# Altium PCB AirQuality PCB.PcbDoc
Units mm, origin at the board's own origin, x right, y up, seen from the top; angles counter-clockwise.
Board outline 74.04 x 69.51 mm, 2 copper layers (Top Layer, Bottom Layer); 67 components, 46 nets, 228 pads, 54 vias.
Unrouted connection lines stored in the file: 133.
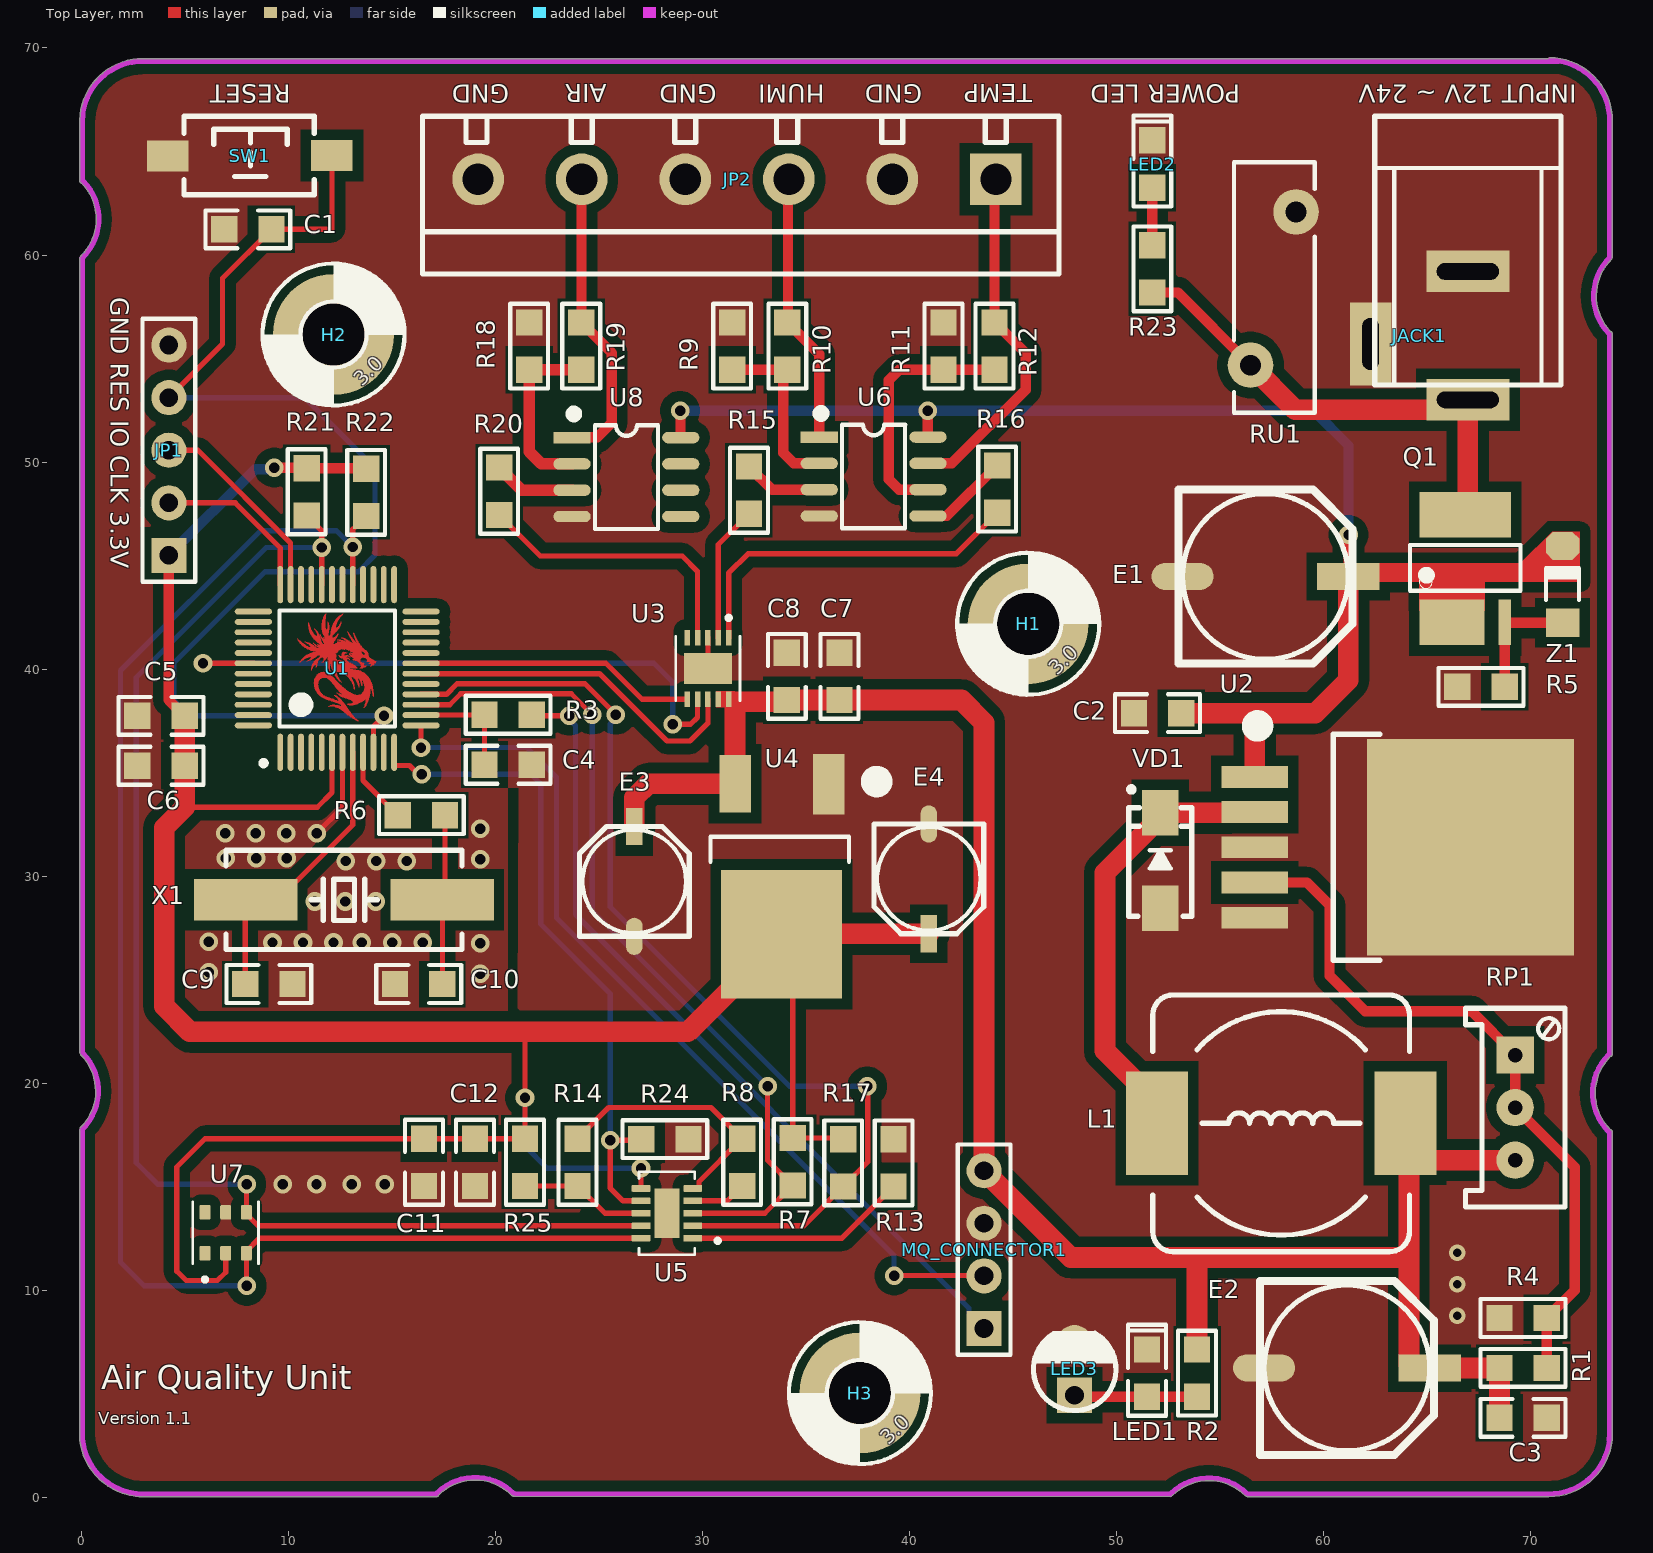
[diagram p0: Top Layer view]
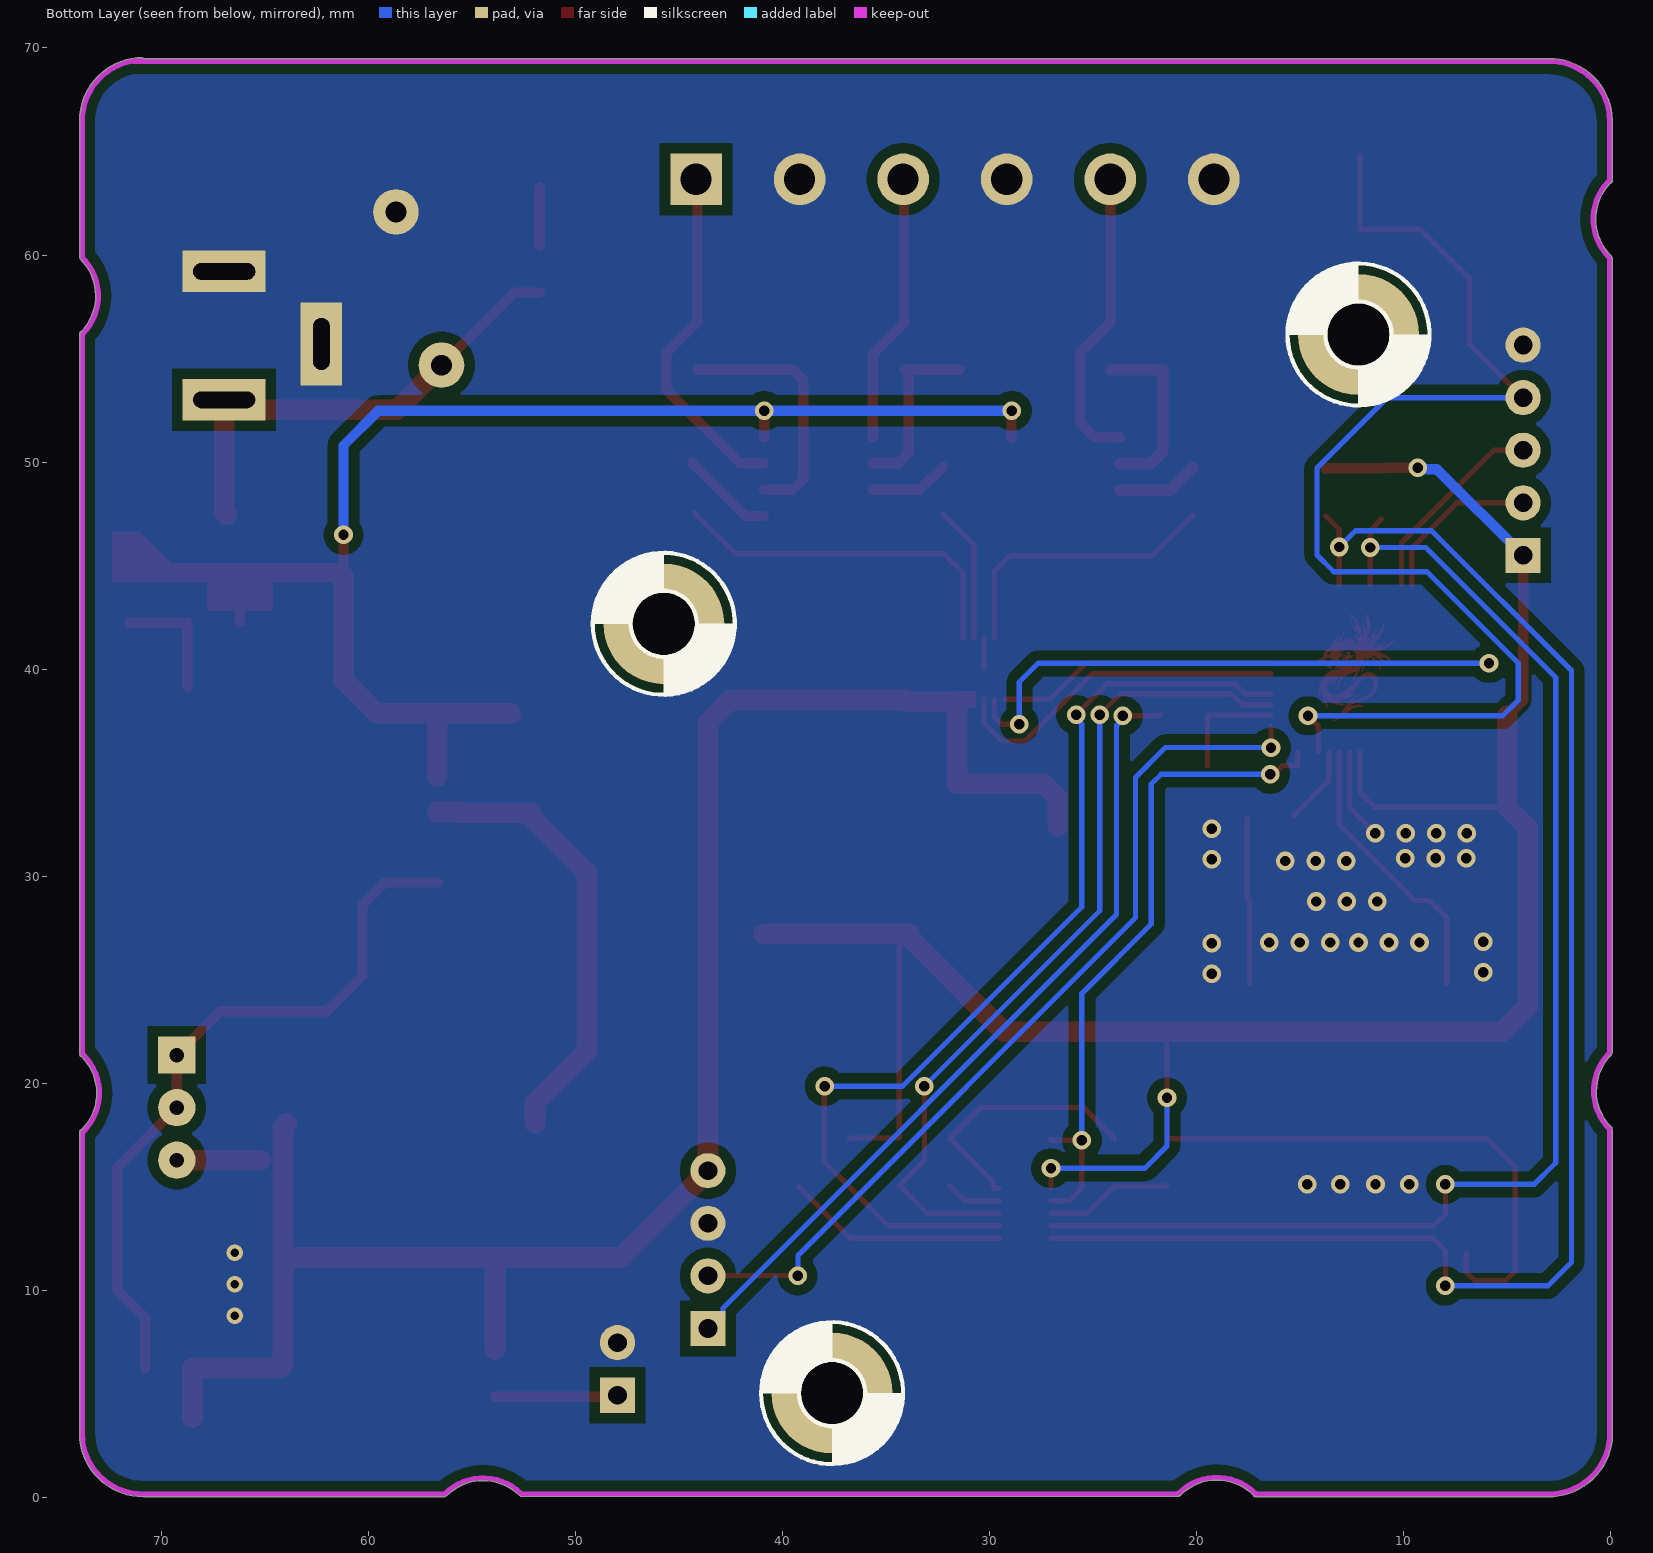
[diagram p1: Bottom Layer view, seen from below]

## Layer stack, top to bottom
Top Solder: solder mask 0.0102, Solder Resist, Dk 3.5
Top Layer: signal copper 0.0356
Dielectric 1: dielectric 0.32, FR-4, Dk 4.8
Bottom Layer: signal copper 0.0356
Bottom Solder: solder mask 0.0102, Solder Resist, Dk 3.5

## Board outline
-0.039,17.845 -0.077,17.704 -0.073,3.017 ccw(c2.988,3.092) 2.791,0.037 2.845,0.025 17.145,0.025 ccw(c17.145,0.152) 17.261,0.101 17.276,0.113 cw(c19.028,-1.663) 20.804,0.089 ccw(c20.895,0.178) 20.922,0.054 20.93,0.053 52.603,0.025 52.718,0.087 cw(c54.47,-1.689) 56.246,0.064 56.337,0.025 70.866,0.025 70.893,0.028 ccw(c70.899,3.089) 73.96,3.051 73.965,3.099 73.965,17.628 ccw(c73.838,17.628) 73.866,17.752 73.852,17.768 cw(c75.629,19.52) 73.869,21.289 ccw(c73.838,21.412) 73.965,21.412 73.965,56.185 ccw(c73.838,56.185) 73.87,56.308 cw(c75.679,58.026) 73.927,59.803 73.965,59.893 73.965,66.446 73.962,66.479 ccw(c70.901,66.479) 70.94,69.54 70.836,69.489 3.052,69.489 3.028,69.492 ccw(c2.99,66.431) -0.07,66.512 -0.077,66.472 -0.077,63.602 ccw(c0.051,63.602) 0.019,63.478 cw(c-1.765,61.735) 0.73,61.735 cw(c-1.765,61.735) -0.013,59.958 -0.077,59.842 -0.077,21.488 -0.014,21.374 cw(c-1.791,19.621) 0.704,19.621 cw(c-1.791,19.621)

## Design rules (kind name [scope] priority, off if disabled: settings)
Clearance Clearance_1 [InNamedPolygon('GND_L01_P000') Or InNamedPolygon('GND_L02_P001')] p1: gap=0.5 ignorepadtopadclearanceinfootprint=FALSE
Clearance [All] p2: gap=0.127 ignorepadtopadclearanceinfootprint=FALSE
PolygonConnect PolygonConnect_1 [All vs IsNamedPolygon('GND_L01_P000') Or IsNamedPolygon('GND_L02_P001')] p1: connectstyle=Direct reliefconductorwidth=0.254 reliefentries=4 polygonreliefangle="90 Angle" airgapwidth=0.254
PolygonConnect [All] p2: connectstyle=Relief reliefconductorwidth=0.254 reliefentries=4 polygonreliefangle="90 Angle" airgapwidth=0.254
RoomDefinition Main [InComponentClass('Main')] p1 off: confinementstyle=ConfineIn formatcopy=TRUE lockcomponents=FALSE outline 1.448,0.711 72.72,0.711 72.72,67.107 1.448,67.107
RoutingVias [All] p1: holewidth=0.5 width=0.9 viastyle="Through Hole" minholewidth=0.5 minwidth=0.9 maxholewidth=0.5 maxwidth=0.9
SolderMaskExpansion [All] p1: expansion=0.102 istentingtop=FALSE
Width [All] p1: maxlimit=1 minlimit=0.254 preferedwidth=0.5
30 further rules are at their usual default settings.

## Components (designator, comment, footprint, x,y, rotation, side; value= is the part's Value field where it differs from the comment)
C1 "0.1uF" "C 0805" 8.052,61.239 r0 top
C2 "1uF" "C 0805" 51.994,37.871 r0 top
C3 "1uF" "C 0805" 69.647,3.835 r180 top
C4 "0.1uF" "C 0805" 20.625,35.382 r180 top
C5 "0.1Uf" "C 0805" 3.861,37.744 r0 top
C6 "10uF" "C 0805" 3.861,35.331 r0 top
C7 "0.1uF" "C 0805" 36.627,39.649 r270 top
C8 "10uF" "C 0805" 34.087,39.649 r270 top
C9 "1uF" "C 0805" 9.068,24.79 r180 top
C10 "1uF" "C 0805" 16.307,24.79 r0 top
C11 "1uF" "C 0805" 16.561,16.18 r90 top
C12 "1uF" "C 0805" 19.025,16.18 r90 top
E1 "100uF/50V" "CM E(8*10.2)" 57.201,44.475 r0 top
E2 "220uF/35V" "CM E(8*10.2)" 61.138,6.248 r0 top
E3 "10uF" "CM C(5*5.4)" 26.721,29.743 r90 top
E4 "10uF" "CM C(5*5.4)" 40.945,29.87 r270 top
H1 "Round Pad" P3.0C 45.745,42.189 r0 top
H2 "Round Pad" P3.0C 12.192,56.159 r0 top
H3 "Round Pad" P3.0C 37.617,5.029 r0 top
JACK1 "3.5*1.3" DC-005 66.98,59.207 r90 top
JP1 "HDR-1X5" HDR-1X5 4.242,45.491 r90 top
JP2 "HDR-1X6" KF301-6P 44.181,63.659 r180 top
L1 "470uH" CDRH127 57.963,18.059 r0 top
LED1 "LED-SMD" "LED 0805R" 51.486,5.994 r90 top
LED2 "LED-SMD" "LED 0805R" 51.74,64.396 r90 top
LED3 "红色" "LED 3MM-G" 47.981,6.198 r90 top
MQ_CONNECTOR1 "HDR-1X4" HDR-1X4 43.612,8.153 r90 top
Q1 "FDS4435BZ" SOP8-E3 66.853,44.856 r0 top
R1 "=Value" "R 0805" 69.647,6.248 r180 top
R2 "1K" "R 0805" 53.899,5.994 r90 top
R3 "1K" "R 0805" 20.625,37.795 r180 top
R4 "1K" "R 0805" 69.647,8.661 r0 top
R5 "1K" "R 0805" 67.615,39.141 r0 top
R6 "1K" "R 0805" 16.434,32.944 r0 top
R7 "47K" "R 0805" 34.366,16.205 r270 top
R8 "000" "R 0805" 31.928,16.18 r90 top
R9 "1K" "R 0805" 31.445,55.6 r270 top
R10 "1K" "R 0805" 34.112,55.601 r90 top
R11 "1K" "R 0805" 41.656,55.6 r270 top
R12 "1K" "R 0805" 44.12,55.601 r90 top
R13 "47K" "R 0805" 39.243,16.154 r270 top
R14 "RTC" "R 0805" 23.978,16.18 r90 top
R15 "1K" "R 0805" 32.258,48.641 r90 top
R16 "1K" "R 0805" 44.247,48.692 r90 top
R17 "47K" "R 0805" 36.805,16.154 r270 top
R18 "1K" "R 0805" 21.641,55.601 r270 top
R19 "1K" "R 0805" 24.155,55.601 r90 top
R20 "1K" "R 0805" 20.193,48.59 r90 top
R21 "47K" "R 0805" 10.897,48.565 r90 top
R22 "47K" "R 0805" 13.767,48.539 r90 top
R23 "1K" "R 0805" 51.74,59.334 r270 top
R24 "47K" "R 0805" 28.194,17.297 r180 top
R25 "10K" "R 0805" 21.438,16.18 r270 top
RP1 "10K" 3296W 69.266,18.821 r270 top
RU1 "*" "Varistor Short Hieght - Straight" 57.582,62.382 r270 top
SW1 "3x6x5" "TSW SMD-3*6*2.5" 8.179,64.807 r0 top
U1 "STM32G030C8T6" "LQFP48 7X7_N" 12.37,40.03 r0 top
U2 "LM2596-ADJ" TO263-5A 56.693,31.394 r270 top
U3 "AD5664" "LFCSP -10" 30.251,40.03 r270 top
U4 "LD1086" TO252 33.833,31.394 r180 top
U5 "CCS811" CCS811 28.296,13.97 r180 top
U6 "LM358" SOP8_N 38.278,49.301 r0 top
U7 "AHT20" AHT20 6.985,12.776 r90 top
U8 "LM358" SOP8_N 26.34,49.276 r0 top
VD1 "SS34" SMA 52.121,30.759 r90 top
X1 "12MHz" XTAL-HC49S-SMD 12.7,28.854 r180 top
Z1 "1N4106" DO-213AA 71.552,44.094 r90 top

## Footprints (in the part's own frame and the unit in brackets; to place one, negate y for a bottom-side part, rotate by r counter-clockwise, add the part's x,y. Pads: shape width x height; smd on the part's side, far side on the other; paste and mask are expansions set on the pad)
3296W [mm] "Precise Multi-Winding Adjustable Resistor"
  rect 1.8x1.8 hole 0.7: 1(-2.54,0)
  round 1.8 hole 0.7: 2(2.54,0) ADJ(0,0)
  silkscreen extent -4.8,-2.4 4.8,2.4, body extent -4.75,-2.4 4.75,2.4, height 11.52
AHT20 [mm]
  rrect25% 0.71x0.53 smd: 1(-0.985,1) 2(-0.985,0) 3(-0.985,-1) 4(0.985,-1) 5(0.985,0) 6(0.985,1)
  silkscreen extent -2.35,-1.59 1.5,1.59, body extent -1.5,-1.5 1.5,1.5, height 1
"C 0805" [mil] "ï¿½Þ¼ï¿½ï¿½ï¿½ï¿½ï¿½Æ¬ï¿½ï¿½ï¿½ï¿½"
  rect 50x50 smd: 1(-45,0) 2(45,0)
  silkscreen extent -81,-36 81,36, body extent -39,-24 39,24, height 20
CCS811 [mm]
  rrect25% 0.91x0.32 smd: 1(-1.25,1.454) 2(-1.25,0.854) 3(-1.25,0.254) 4(-1.25,-0.346) 5(-1.25,-0.946) 6(1.25,-0.946) 7(1.25,-0.346) 8(1.25,0.254) 9(1.25,0.854) 10(1.25,1.454)
  rect 1.2x2.4 smd paste-2: 11(0,0.254)
  silkscreen extent -2.55,-1.75 1.35,2.25, body extent -1.35,-1.75 1.35,2.25, height 1.1
CDRH127 [mm] "12*12*8mm£¨³¤¿í¸ß£©"
  rect 3x5 smd: 1(-6,0) 2(6,0)
  silkscreen extent -6.2,-6.2 6.2,6.2, body extent -6,-6 6,6, height 7.8
"CM C(5*5.4)" [mm] "ï¿½ï¿½Æ¬ï¿½ï¿½ï¿½ï¿½ï¿½Ý£ï¿½Ö±ï¿½ï¿½5mmï¿½ï"
  rect 1.8x0.8 smd: 1(2.65,0)
  oval 1.8x0.8 smd: 2(-2.65,0)
  silkscreen extent -2.65,-2.65 2.65,2.65, body extent -2.95,-2.65 2.95,2.65, height 5.4
"CM E(8*10.2)" [mm] "ï¿½ï¿½Æ¬ï¿½ï¿½ï¿½ï¿½ï¿½Ý£ï¿½Ö±ï¿½ï¿½8mmï¿½ï"
  rect 3x1.3 smd: 1(4,0)
  oval 3x1.3 smd: 2(-4,0)
  silkscreen extent -4.2,-4.2 4.2,4.2, body extent -4.5,-4.15 4.5,4.15, height 10.2
DC-005 [mm] "5.5*2.1mm£¬DC30V,2.5A"
  rect 2x4 hole 0.8 slot 3 at 90 deg: 1(-6.2,0) 2(0,0)
  rect 4x2 hole 0.8 slot 2.5 at 0 deg: 3(-3.5,4.7)
  silkscreen extent -5.48,-4.5 7.5,4.5, body extent -6.55,-4.5 7.5,4.8, height 11.2
DO-213AA [mm] "1.5*3.5mm(Ö±¾¶£¬½Å¾à£©"
  rect 1.37x1.62 smd: 1(-1.855,0)
  oct 1.37x1.62 smd: 2(1.855,0)
  silkscreen extent -0.76,-0.8 0.78,0.8, body extent -1.75,-0.75 1.75,0.75, height 1.53
HDR-1X4 [mm] "ï¿½ï¿½ï¿½ë£¬4ï¿½ï¿½"
  rect 1.7x1.7 hole 0.9: 1(0,0)
  round 1.7 hole 0.9: 2(2.54,0) 3(5.08,0) 4(7.62,0)
  silkscreen extent -1.27,-1.27 8.89,1.27, body extent -1.27,-1.27 8.89,1.27, height 8.5
HDR-1X5 [mm] "ï¿½ï¿½ï¿½ë£¬5ï¿½ï¿½"
  rect 1.7x1.7 hole 0.9: 1(0,0)
  round 1.7 hole 0.9: 2(2.54,0) 3(5.08,0) 4(7.62,0) 5(10.16,0)
  silkscreen extent -1.27,-1.27 11.43,1.27, body extent -1.27,-1.27 11.43,1.27, height 8.5
KF301-6P [mm] "ï¿½ï¿½Æ´ï¿½Ó¶ï¿½ï¿½ï¿½/6A"
  rect 2.5x2.5 hole 1.5: 1(0,0)
  round 2.5 hole 1.5: 2(5,0) 3(10,0) 4(15,0) 5(20,0) 6(25,0)
  silkscreen extent -3.05,-3.05 27.69,4.57, body extent -2.87,-3 27.63,4.6, height 10.05
"LED 3MM-G" [mm] "ï¿½ï¿½É«3mmÖ±ï¿½ï¿½LED"
  rect 1.7x1.7 hole 0.9: 1(-1.27,0)
  round 1.7 hole 0.9: 2(1.27,0)
  silkscreen extent -2.01,-2 1.72,1.98, body extent -1.95,-1.95 1.64,1.95, height 5.55
"LED 0805R" [mil] "ï¿½ï¿½É«0805LED"
  rect 50x50 smd: 1(-45,0) 2(45,0)
  silkscreen extent -81,-36 92,36, body extent -39,-25 39,25, height 32
"LFCSP -10" [mm]
  rrect25% 0.76x0.27 smd: 1(-1.485,1.025) 2(-1.485,0.525) 3(-1.485,0.025) 4(-1.485,-0.475) 5(-1.485,-0.975) 6(1.485,-0.975) 7(1.485,-0.475) 8(1.485,0.025) 9(1.485,0.525) 10(1.485,1.025)
  rect 1.5x2.3 smd paste-2: 11(0,0.025)
  silkscreen extent -2.54,-1.52 1.55,1.58, body extent -1.47,-1.47 1.53,1.53, height 0.85
"LQFP48 7X7_N" [mm] "48½Å£¬Ìå¿í7x7mm£¬½Å¾à0.5mm"
  oval 0.279x1.8 smd: 1(-2.75,-4.05) 2(-2.25,-4.05) 3(-1.75,-4.05) 4(-1.25,-4.05) 5(-0.75,-4.05) 6(-0.25,-4.05) 7(0.25,-4.05) 8(0.75,-4.05) 9(1.25,-4.05) 10(1.75,-4.05) 11(2.25,-4.05) 12(2.75,-4.05) 25(2.75,4.05) 26(2.25,4.05) 27(1.75,4.05) 28(1.25,4.05) 29(0.75,4.05) 30(0.25,4.05) 31(-0.25,4.05) 32(-0.75,4.05) 33(-1.25,4.05) 34(-1.75,4.05) 35(-2.25,4.05) 36(-2.75,4.05)
  oval 1.8x0.279 smd: 13(4.05,-2.75) 14(4.05,-2.25) 15(4.05,-1.75) 16(4.05,-1.25) 17(4.05,-0.75) 18(4.05,-0.25) 19(4.05,0.25) 20(4.05,0.75) 21(4.05,1.25) 22(4.05,1.75) 23(4.05,2.25) 24(4.05,2.75) 37(-4.05,2.75) 38(-4.05,2.25) 39(-4.05,1.75) 40(-4.05,1.25) 41(-4.05,0.75) 42(-4.05,0.25) 43(-4.05,-0.25) 44(-4.05,-0.75) 45(-4.05,-1.25) 46(-4.05,-1.75) 47(-4.05,-2.25) 48(-4.05,-2.75)
  silkscreen extent -3.68,-4.7 2.79,2.79, body extent -4.5,-4.5 4.5,4.5, height 1.45
P3.0C [mil] "MOUNTING PAD 3.0 mm, round, 5.8 mm Diameter"
  round 230 hole 118.11: P(0,0)
  silkscreen extent -135,-135 135,135
"R 0805" [mm] "1/8Wï¿½ï¿½Æ¬ï¿½ï¿½ï¿½ï¿½"
  rect 1.27x1.27 smd: 1(-1.143,0) 2(1.143,0)
  silkscreen extent -2.05,-0.91 2.05,0.91, body extent -1,-0.62 1,0.63, height 0.5
SMA [mm] "4.5x2.6*2.2mm£¨³¤¿í¸ß£¬²»°üÀ¨Òý½Å£©"
  rect 2.2x1.75 smd: 1(-2.3,0) 2(2.3,0)
  silkscreen extent -2.7,-1.52 3.56,1.52, body extent -2.53,-1.3 2.58,1.3, height 2.15
SOP8-E3 [mm]
  rect 3.15x2.2 smd mask+0: 1-3(-0.635,-2.6)
  rect 0.6x2.2 smd: 4(1.905,-2.6)
  rect 4.4x2.2 smd mask+0: 5-8(0,2.6)
  silkscreen extent -2.67,-1.07 2.67,1.14, body extent -2.46,-3.07 2.54,2.93, height 1.9
SOP8_N [mm] "5*6*1.8mm£¨³¤¿í¸ß£©"
  rect 1.8x0.55 smd: 1(-2.625,1.905)
  oval 1.8x0.55 smd: 2(-2.625,0.635) 3(-2.625,-0.635) 4(-2.625,-1.905) 5(2.625,-1.905) 6(2.625,-0.635) 7(2.625,0.635) 8(2.625,1.905)
  silkscreen extent -2.69,-2.5 1.52,3.2, body extent -3,-2.5 3,2.5, height 1.9
TO252 [mil] "252¾§Ìå¹Ü"
  rect 60x115 smd: 1(-89.55,-119.77)
  rect 230x245 smd: 2(0,165.35)
  rect 60x110 smd: 3(88.45,-120.77)
  silkscreen extent -196,-140 135,28, body extent -127,-120 129,251, height 91
TO263-5A [mm] "263£¬5½Å¾§Ìå¹Ü"
  rect 1.05x3.2 smd: 1(-3.4,0) 2(-1.7,0) 3(0,0) 4(1.7,0) 5(3.4,0)
  rect 10.45x10 smd: 3(0,10.414)
  silkscreen extent -6.24,-0.25 5.46,6.04, body extent -5,-0.01 5,13.32, height 4.5
"TSW SMD-3*6*2.5" [mm] "3*6*2.5mm"
  rect 2x1.5 smd: 1(-3.996,-0.02) 2(3.937,0)
  silkscreen extent -3.21,-1.9 3.09,1.9, body extent -4,-1.88 4,1.62, height 2.59
"Varistor Short Hieght - Straight" [mm] "B57237"
  round 2.2 hole 1: 1(0.3,1.1) 2(7.7,-1.1)
  silkscreen extent -2.1,-1.9 10,2, body extent -2,-1.9 10,1.9, height 13
XTAL-HC49S-SMD [mm]
  rect 5x2 smd: 1(-4.75,0) 2(4.75,0)
  silkscreen extent -5.7,-2.4 5.7,2.4, body extent -6.7,-2.46 6.7,2.44, height 4

## Part data
C1 C2 C3 C4 C5 C6 C7 C8 C9 C10 C11 C12: library part C, "Non-polar patch capacitor", BOM名称=无极性贴片电容, 学习资源=www.ooocke.com, 版权归属=源创客
E1 E2 E3 E4: library part C-CM, "Chip electrolytic capacitor", BOM名称=贴片电解电容, 学习资源=www.ooocke.com, 版权归属=源创客
H1 H2 H3: library part MOUNT-PAD-ROUND, "MOUNTING PAD, round"
JACK1: library part P-DC, "Low voltage power interface", BOM名称=DC电源接口, 学习资源=www.ooocke.com, 版权归属=源创客
JP1: library part "Header 5", "5P Connector", BOM名称=5P接插件, 学习资源=www.ooocke.com, 版权归属=源创客
JP2: library part "Header 6", "6P Connector", BOM名称=6P接插件, 学习资源=www.ooocke.com, 版权归属=源创客
L1: library part L-CDRH, "Power shielded inductor", BOM名称=功率屏蔽电感, 学习资源=www.ooocke.com, 版权归属=源创客
LED1 LED2: "Patch LED", BOM名称=贴片LED, 学习资源=www.ooocke.com, 版权归属=源创客
LED3: library part LED-3MM, "Plug-in LED", BOM名称=插件LED, 学习资源=www.ooocke.com, 版权归属=源创客
MQ_CONNECTOR1: library part "Header 4", "4P Connector", BOM名称=4P接插件, 学习资源=www.ooocke.com, 版权归属=源创客
R1 R2 R3 R4 R5 R6 R7 R8 R9 R10 R11 R12 R13 R14 R15 R16 R17 R18 R19 R20 R21 R22 R23 R24 R25: library part R, "Chip resistor", BOM名称="Chip resistor", 学习资源=www.ooocke.com, 版权归属=源创客
RP1: library part RP-THD, "Plug-in potentiometer", BOM名称=插件电位器, 学习资源=www.ooocke.com, 版权归属=源创客
RU1: library part V, "Versiror"
SW1: library part "TSW 3x6", "3x6 tact switch", BOM名称=3x6轻触开关, 学习资源=www.ooocke.com, 版权归属=源创客
U2: library part LM2596, "DC step-down chip", BOM名称=DC稳压芯片, 学习资源=www.ooocke.com, 版权归属=源创客
U4: "Linear Voltage Regulator IC 1 Output 1.5A DPAK"
U6 U8: "Dual op amp", BOM名称=双路运放, 学习资源=www.ooocke.com, 版权归属=源创客
VD1: "Schottky diodes", BOM名称=肖特基二极管, 学习资源=www.ooocke.com, 属性=40V/3A, 版权归属=源创客
X1: library part XTAL-2, "2-Pin crystal", BOM名称=2脚晶振, 学习资源=www.ooocke.com, 版权归属=源创客
Z1: "12V/0.5W voltage regulator", BOM名称=12V/0.5W稳压管, 学习资源=www.ooocke.com, 版权归属=源创客

## Via types
v1: diameter 0.9, hole 0.5, Top Layer to Bottom Layer, tented both sides, 51 vias
v2: diameter 0.8, hole 0.4, Top Layer to Bottom Layer, tented both sides, 3 vias

## Nets (pads, with @x,y where several pads share a name; then routed paths per layer and width w, separated by ;. In a path a pad name is that pad's centre, name@x,y a point inside that pad or via, vN(x,y) a via of type N, cw(c..) or ccw(c..) an arc to the next point about the centre after c; other vN are vias at no path point)
3.3V: C5.2 C6.2 C11.2 C12.2 E4.1 JP1.1 R7.1 R17.1 R21.2 R22.2 R25.1 U1.6 U4.2 U5.6 U7.2 | length 135.6
  Top Layer w0.254: 5.004,33.325 11.405,33.325 12.12,34.04 U1.6 ; U7.2 6.985,10.871 6.579,10.465 5.08,10.465 4.623,10.922 4.623,15.951 5.994,17.323 C11.2 C12.2 R25.1 21.438,22.454 21.463,22.479 ; U5.6 v1(27.046,15.895) v1@27.076,15.926 ; U4.2 34.366,26.661 R7.1 36.754,17.348 R17.1
  Top Layer w0.5: JP1.1 4.242,38.506 C5.2 ; v1(9.322,49.733) 9.335,49.72 10.884,49.72 10.909,49.695 13.754,49.695 R22.2
  Top Layer w1: C5.2 C6.2 5.004,33.325 4.013,32.334 4.013,23.724 5.258,22.479 21.463,22.479 29.308,22.479 U4.2@33.833,27.004 ; U4.2@33.859,27.22 E4.1
  Bottom Layer w0.254: v1(21.438,19.304) 21.438,16.967 22.51,15.895 v1(27.046,15.895)
  Bottom Layer w0.5: JP1.1 8.407,49.657 9.245,49.657 v1(9.322,49.733)
5v: C3.2 C7.2 C8.2 E2.1 E3.1 L1.2 MQ_CONNECTOR1.4 R1.2 R2.2 RP1.2 U3.9 U3.10 U4.3 | length 94
  Top Layer w1: E3.1 26.721,33.782 27.401,34.462 U4.3 31.586,38.391 31.547,38.43 34.011,38.43 C8.2 C7.2 42.52,38.506 43.612,37.414 MQ_CONNECTOR1.4 47.803,11.582 53.899,11.582 ; R2.2 53.899,11.582 ; L1.2 64.135,17.887 64.135,11.582 ; L1.2@65.213,16.281 RP1.2 ; C3.2 R1.2 E2.1 64.288,6.248 64.138,6.398 64.138,6.981 64.135,6.984 64.135,11.582 ; 53.899,11.582 64.135,11.582
24V: C2.2 E1.1 Q1.1-3 U2.1 U6.8 U8.8 Z1.2 | length 71.9
  Top Layer w0.5: v1(28.931,52.476) 28.948,52.459 28.948,51.198 U8.8 ; v1(40.894,52.476) 40.898,52.472 40.898,51.211 U6.8 ; 56.693,37.744 56.82,37.871 ; v1(61.214,46.482) 61.214,44.489 E1.1 66.218,44.475 ; Q1.1-3 66.218,44.475 ; Z1.2 71.427,45.949 69.953,44.475 66.218,44.475
  Top Layer w1: C2.2 56.82,37.871 59.614,37.871 61.201,39.458 E1.1 ; U2.1 56.693,37.744
  Bottom Layer w0.5: v1(28.931,52.476) v1(40.894,52.476) 59.538,52.476 61.214,50.8 v1(61.214,46.482)
24VIN: JACK1.1 Q1.5-8 R23.2 RU1.2 | length 23.4
  Top Layer w0.5: R23.2 52.973,58.191 RU1.2
  Top Layer w1: RU1.2 58.637,52.527 66.5,52.527 JACK1.1 66.98,47.583 Q1.5-8
ANALOG_OUT_1: JP2.1 R12.2 U6.7 | length 17
  Top Layer w0.5: U6.7 42.062,49.936 45.618,53.492 45.618,55.245 R12.2 44.12,63.598 JP2.1
ANALOG_OUT_2: JP2.3 R10.2 U6.1 | length 13.1
  Top Layer w0.5: JP2.3 34.146,63.625 34.146,56.778 R10.2 35.653,55.203 U6.1
ANALOG_OUT_3: JP2.5 R19.2 U8.1 | length 14.6
  Top Layer w0.5: U8.1 23.731,51.198 24.934,51.198 25.629,51.892 25.629,55.27 R19.2 24.168,56.756 24.168,63.647 JP2.5
CCS_AUX: R14.1 R25.2 U5.8 | length 6.2
  Top Layer w0.254: R25.2 R14.1 25.298,13.716 U5.8
CCS_RESET: R17.2 U1.16 U5.2 | length 48.8
  Top Layer w0.254: U1.16 17.648,38.78 18.161,39.294 24.333,39.294 v1(25.832,37.795) ; U5.2 34.909,13.116 R17.2 37.998,16.205 37.998,19.71 v1@37.973,19.736
  Bottom Layer w0.254: v1@25.832,37.719 25.832,37.62 25.552,37.341 25.552,28.524 34.224,19.853 v1(37.973,19.853)
CCS_SENSE: R8.2 R14.2 U5.5 | length 12.7
  Top Layer w0.254: R14.2 25.476,18.821 30.429,18.821 R8.2 29.845,15.239 29.845,14.949 29.812,14.916 U5.5
CCS_WAKE: R24.2 U1.12 U5.7 | length 32.2
  Top Layer w0.254: U1.12 15.12,35.359 15.132,35.347 15.862,35.347 16.284,34.925 v1(16.459,34.925) ; U5.7 26.172,14.316 25.552,14.935 v1(25.552,17.247) 27,17.247 R24.2
  Bottom Layer w0.254: v1(16.459,34.925) 21.717,34.925 22.2,34.442 22.2,27.686 25.552,24.333 v1(25.552,17.247)
GND: C1.1 C2.1 C3.1 C4.1 C5.1 C6.1 C7.1 C8.1 C9.1 C10.1 C11.1 C12.1 E1.2 E2.2 E3.2 E4.2 JACK1.2 JACK1.3 JP1.5 JP2.2 JP2.4 JP2.6 LED1.2 LED2.2 LED3.2 MQ_CONNECTOR1.3 R4.1 R5.1 R9.1 R11.1 R13.1 R18.1 R24.1 RU1.1 SW1.1 U1.7 U2.3 U2.5 U3.3 U3.11 U4.1 U5.11 U6.4 U7.5 U8.4 VD1.1 | length 5.9
  Top Layer w0.254: v1(11.379,32.08) 12.62,33.321 U1.7 ; U3.11 U3.3
  other v1: 9.741,15.113 11.367,15.113 13.068,15.113 14.669,15.113 19.276,25.285 6.169,25.362 19.276,26.759 9.246,26.797 10.719,26.797 12.192,26.797 13.564,26.797 15.037,26.797 16.51,26.797 6.169,26.835 11.278,28.778 12.751,28.778 14.224,28.778 12.776,30.734 14.249,30.734 15.723,30.734 19.276,30.823 6.985,30.861 8.458,30.861 9.931,30.861 6.96,32.08 8.433,32.08 9.906,32.08 19.276,32.296
  other v2: 66.472,8.763 66.472,10.287 66.472,11.811
INT: R7.2 U1.15 U5.3 | length 41
  Top Layer w0.254: U1.15 17.808,38.28 18.339,38.811 23.673,38.811 v1(24.689,37.795) ; U5.3 33.02,13.716 R7.2 33.147,16.281 33.147,19.837 v1(33.162,19.853)
  Bottom Layer w0.254: v1(24.689,37.795) 24.689,28.326 v1(33.162,19.853)
MQ_Aout: MQ_CONNECTOR1.1 R3.1 | length 39.7
  Top Layer w0.254: R3.1 21.819,37.744 v1(23.571,37.744)
  Bottom Layer w0.254: v1(23.571,37.744) 23.571,37.577 23.876,37.273 23.876,28.143 42.889,9.13 42.889,8.876 MQ_CONNECTOR1.1
MQ_Dout: MQ_CONNECTOR1.2 U1.13 | length 43.4
  Top Layer w0.254: v1(16.42,36.209) U1.13 ; v1@39.268,10.719 v1(39.281,10.706) 43.599,10.706 MQ_CONNECTOR1.2
  Bottom Layer w0.254: v1(16.42,36.209) 21.525,36.209 22.962,34.773 22.962,27.991 39.268,11.684 v1@39.268,10.719
NetC4_2: C4.2 R3.2 U1.14 | length 5.5
  Top Layer w0.254: U1.14 19.446,37.78 19.482,37.744 C4.2@19.482,35.331
NetC10_2: C10.2 R6.2 X1.1 | length 8.1
  Top Layer w0.254: C10.2 X1.1 17.577,28.981 R6.2@17.577,32.791
NetL1_1: L1.1 U2.2 VD1.2 | length 21.7
  Top Layer w1: L1.1 51.963,19.059 49.454,21.568 49.454,30.167 52.121,32.834 VD1.2 55.583,33.059 55.618,33.094 U2.2
NetLED1_1: LED1.1 LED3.1 R2.1 | length 5.9
  Top Layer w0.5: LED3.1 48.057,4.851 LED1.1 R2.1
NetLED2_1: LED2.1 R23.1 | length 2.8
  Top Layer w0.5: R23.1 LED2.1
NetQ1_4: Q1.4 R5.2 Z1.1 | length 5.9
  Top Layer w0.5: R5.2 Q1.4 68.775,42.239 Z1.1
NetR1_1: R1.1 R4.2 RP1.1 RP1.ADJ U2.4 | length 34.9
  Top Layer w0.5: U2.4 59.206,29.694 60.3,28.6 60.3,25.197 62.027,23.47 67.158,23.47 RP1.1 RP1.ADJ 72.136,15.951 72.136,10.008 R4.2 R1.1
NetR8_1: R8.1 U5.4 | length 2.7
  Top Layer w0.254: U5.4 31.207,14.316 R8.1
NetR9_2: R9.2 R10.1 U6.2 | length 8.7
  Top Layer w0.5: R9.2 33.909,54.458 R10.1 33.909,54.254 33.909,50.444 34.417,49.936 U6.2
NetR11_2: R11.2 R12.1 U6.6 | length 12.2
  Top Layer w0.5: U6.6 39.522,48.666 39.014,49.174 39.014,53.95 39.522,54.458 R12.1
NetR13_2: R13.2 U5.1 | length 10.7
  Top Layer w0.254: U5.1 36.747,12.516 R13.2
NetR15_2: R15.2 U6.3 | length 3.9
  Top Layer w0.5: R15.2 33.376,48.666 U6.3
NetR16_2: R16.2 U6.5 | length 4.5
  Top Layer w0.5: U6.5 41.809,47.396 R16.2 R16.2@44.364,49.952
NetR18_2: R18.2 R19.1 U8.2 | length 8.8
  Top Layer w0.56: U8.2 22.225,49.911 21.641,50.495 R18.2 R19.1
NetR20_2: R20.2 U8.3 | length 4
  Top Layer w0.56: R20.2 21.285,48.641 U8.3
NRST: C1.2 JP1.4 SW1.2 U1.10 | length 58.3
  Top Layer w0.254: JP1.4 6.833,55.702 6.833,58.877 C1.2 12.09,61.239 12.116,61.265 SW1.2 ; U1.10 14.12,37.234 v1(14.63,37.744)
  Bottom Layer w0.254: JP1.4 10.795,53.111 14.199,49.708 14.199,45.517 13.386,44.704 8.89,44.704 4.47,40.284 4.47,38.506 5.232,37.744 v1(14.63,37.744)
OSC_IN: C9.2 U1.8 X1.2 | length 13.8
  Top Layer w0.254: C9.2 7.925,27.981 8.773,28.829 9.475,28.829 13.12,32.475 U1.8
OSC_OUT: R6.1 U1.9 | length 3.7
  Top Layer w0.254: U1.9 13.62,34.615 R6.1
SCL: R22.1 U1.29 U5.10 U7.3 | length 74.1
  Top Layer w0.254: v1(8.001,10.211) 7.993,10.219 7.993,11.873 7.985,11.881 8.62,12.516 U5.10@27.04,12.516 ; U1.29 v1(13.12,45.898) 13.12,46.749 R22.1
  Bottom Layer w0.254: v1(8.001,10.211) 3.048,10.211 1.905,11.354 1.905,39.929 8.661,46.685 12.332,46.685 v1(13.12,45.898)
SDA: R21.1 U1.32 U5.9 U7.4 | length 64.9
  Top Layer w0.254: v1(8.001,15.113) 7.993,15.105 7.993,13.679 7.985,13.671 8.54,13.116 U5.9@27.04,13.116 ; R21.1@11.074,47.244 11.62,46.699 v1(11.62,45.872) U1.32
  Bottom Layer w0.254: v1(8.001,15.113) 3.708,15.113 2.662,16.16 2.662,39.593 8.941,45.872 v1(11.62,45.872)
SHIELD: 
SPI1_CLK: U1.42 U3.7 | length 29.7
  Top Layer w0.254: v1(5.889,40.28) U1.42 ; v1(28.575,37.338) 29.439,37.338 29.769,37.668 29.769,38.537 U3.7
  Bottom Layer w0.254: v1(5.889,40.28) 27.665,40.28 28.575,39.37 v1(28.575,37.338)
SPI1_CS: U1.19 U3.6 | length 13.6
  Top Layer w0.254: U1.19 25.353,40.28 27.088,38.545 U3.6
SPI1_MISO: U1.17
SPI1_MOSI: U1.18 U3.8 | length 16.7
  Top Layer w0.254: U1.18 25.04,39.78 28.296,36.525 29.413,36.525 30.277,37.389 U3.8
SWCLK: JP1.2 U1.36 | length 8.1
  Top Layer w0.254: JP1.2 7.442,48.031 9.62,45.854 U1.36
SWDIO: JP1.3 U1.35 | length 9.7
  Top Layer w0.254: JP1.3 5.639,50.571 10.12,46.09 U1.35
TO_OPAMP1: R16.1 U3.1 | length 17.3
  Top Layer w0.254: U3.1 31.277,44.637 32.207,45.568 42.266,45.568 R16.1
TO_OPAMP2: R15.1 U3.2 | length 6.6
  Top Layer w0.254: U3.2 30.777,46.017 R15.1
TO_OPAMP3: R20.1 U3.4 | length 13.9
  Top Layer w0.254: R20.1 22.174,45.466 29.032,45.466 29.777,44.721 U3.4
Vref: U1.5
pads on no net: H1.P H2.P H3.P U1.1 U1.2 U1.3 U1.4 U1.11 U1.20 U1.21 U1.22 U1.23 U1.24 U1.25 U1.26 U1.27 U1.28 U1.30 U1.31 U1.33 U1.34 U1.37 U1.38 U1.39 U1.40 U1.41 U1.43 U1.44 U1.45 U1.46 U1.47 U1.48 U3.5 U7.1 U7.6 U8.5 U8.6 U8.7

## Polygon pours and split planes (outlines as drawn)
GND on Bottom Layer "GND_L02_P001" (solid, remove dead copper, pour order 1): -0.039,17.845 -0.077,17.704 -0.073,3.017 ccw(c2.988,3.092) 2.791,0.037 2.845,0.025 17.145,0.025 ccw(c17.145,0.152) 17.261,0.101 17.276,0.113 cw(c19.028,-1.663) 20.804,0.089 ccw(c20.895,0.178) 20.922,0.054 20.93,0.053 52.603,0.025 52.718,0.087 cw(c54.47,-1.689) 56.246,0.064 56.337,0.025 70.866,0.025 70.893,0.028 ccw(c70.899,3.089) 73.96,3.051 73.965,3.099 73.965,17.628 ccw(c73.838,17.628) 73.866,17.752 73.852,17.768 cw(c75.629,19.52) 73.869,21.289 ccw(c73.838,21.412) 73.965,21.412 73.965,56.185 ccw(c73.838,56.185) 73.87,56.308 cw(c75.679,58.026) 73.927,59.803 73.965,59.893 73.965,66.446 73.962,66.479 ccw(c70.901,66.479) 70.94,69.54 70.836,69.489 3.052,69.489 3.028,69.492 ccw(c2.99,66.431) -0.07,66.512 -0.077,66.472 -0.077,63.602 ccw(c0.051,63.602) 0.019,63.478 cw(c-1.765,61.735) 0.73,61.735 cw(c-1.765,61.735) -0.013,59.958 -0.077,59.842 -0.077,21.488 -0.014,21.374 cw(c-1.791,19.621) 0.704,19.621 cw(c-1.791,19.621)
GND on Top Layer "GND_L01_P000" (solid, remove dead copper, pour order 0): -0.039,17.845 -0.077,17.704 -0.073,3.017 ccw(c2.988,3.092) 2.791,0.037 2.845,0.025 17.145,0.025 ccw(c17.145,0.152) 17.261,0.101 17.276,0.113 cw(c19.028,-1.663) 20.804,0.089 ccw(c20.895,0.178) 20.922,0.054 20.93,0.053 52.603,0.025 52.718,0.087 cw(c54.47,-1.689) 56.246,0.064 56.337,0.025 70.866,0.025 70.893,0.028 ccw(c70.899,3.089) 73.96,3.051 73.965,3.099 73.965,17.628 ccw(c73.838,17.628) 73.866,17.752 73.852,17.768 cw(c75.629,19.52) 73.869,21.289 ccw(c73.838,21.412) 73.965,21.412 73.965,56.185 ccw(c73.838,56.185) 73.87,56.308 cw(c75.679,58.026) 73.927,59.803 73.965,59.893 73.965,66.446 73.962,66.479 ccw(c70.901,66.479) 70.94,69.54 70.836,69.489 3.052,69.489 3.028,69.492 ccw(c2.99,66.431) -0.07,66.512 -0.077,66.472 -0.077,63.602 ccw(c0.051,63.602) 0.019,63.478 cw(c-1.765,61.735) 0.73,61.735 cw(c-1.765,61.735) -0.013,59.958 -0.077,59.842 -0.077,21.488 -0.014,21.374 cw(c-1.791,19.621) 0.704,19.621 cw(c-1.791,19.621)

## Keep-outs
Keep-Out Layer:
  lines w0.254: 0.051,3.048 0.051,17.704 ; 0.051,17.755 ccw(c-1.791,19.621) 0.076,21.463 ; 0.051,21.488 0.051,59.842 ; 0.051,63.602 0.051,66.472 ; 0.054,3.128 ccw(c2.988,3.092) 2.951,0.158 ; 0.056,66.468 cw(c2.99,66.431) 3.027,69.364 ; 0.076,59.868 ccw(c-1.765,61.735) 0.102,63.576 ; 2.845,0.152 17.145,0.152 ; 3.023,69.362 71.349,69.362 ; 17.186,0.204 cw(c19.028,-1.663) 20.895,0.178 ; 20.93,0.181 52.603,0.152 ; 52.629,0.178 cw(c54.47,-1.689) 56.337,0.152 70.866,0.152 ; 70.862,0.156 ccw(c70.899,3.089) 73.832,3.052 ; 70.938,69.413 cw(c70.901,66.479) 73.835,66.442 ; 73.762,17.678 cw(c75.629,19.52) 73.787,21.387 ; 73.812,56.185 cw(c75.679,58.026) 73.838,59.893 73.838,66.446 ; 73.838,3.099 73.838,17.628 ; 73.838,21.412 73.838,56.185

## Other copper
Top Layer:
  rectangle net 5v: 30.658,38.151 31.572,38.938
  pour cut-out: 21.107,34.247 20.617,34.247 20.617,23.503 20.625,23.495 21.056,23.495
  region: 2303 vertices and 1 holes, not listed, extent 10.443,37.488 14.26,42.681
  region net 24V: 64.643,42.824 64.643,44.602 67.793,44.602 67.793,42.824
  region net 24V: 61.011,45.11 69.52,45.11 71.044,46.634 72.39,46.634 72.39,44.221 61.011,44.221

## Silkscreen, mask and mechanical layers (free items; w line width, h text height)
Top Overlay:
  text "AIR" at 25.378,68.532 h1.52 r180
  text "TEMP" at 45.952,68.532 h1.52 r180
  text "RESET" at 10.138,68.514 h1.52 r180
  text "GND" at 20.679,68.514 h1.52 r180
  text "GND" at 30.712,68.514 h1.52 r180
  text "HUMI" at 35.919,68.514 h1.52 r180
  text "GND" at 40.618,68.514 h1.52 r180
  text "POWER LED" at 55.985,68.514 h1.52 r180
  text "INPUT 12V ~ 24V" at 72.241,68.514 h1.52 r180
  text "GND RES IO CLK 3.3V" at 1.133,57.966 h1.52 r270
  text "Air Quality Unit" at 0.962,4.82 h2
  text "Version 1.1" at 0.836,3.334 h1
Top Solder:
  region: 2303 vertices and 1 holes, not listed, extent 10.443,37.488 14.26,42.681
Mechanical 1:
  lines w0.254: 14.783,1.295 14.783,22.377 46.914,22.377 46.914,1.422 46.787,1.295 14.783,1.295

## Text inside footprints (layer, text, board x,y; h text height)
H1: Top Overlay "3.0" at 47.142,39.649 h0.7 r45
H2: Top Overlay "3.0" at 13.589,53.619 h0.7 r45
H3: Top Overlay "3.0" at 39.014,2.489 h0.7 r45